# Altium PCB PCB1.PcbDoc (part 1 of 2) (continued)
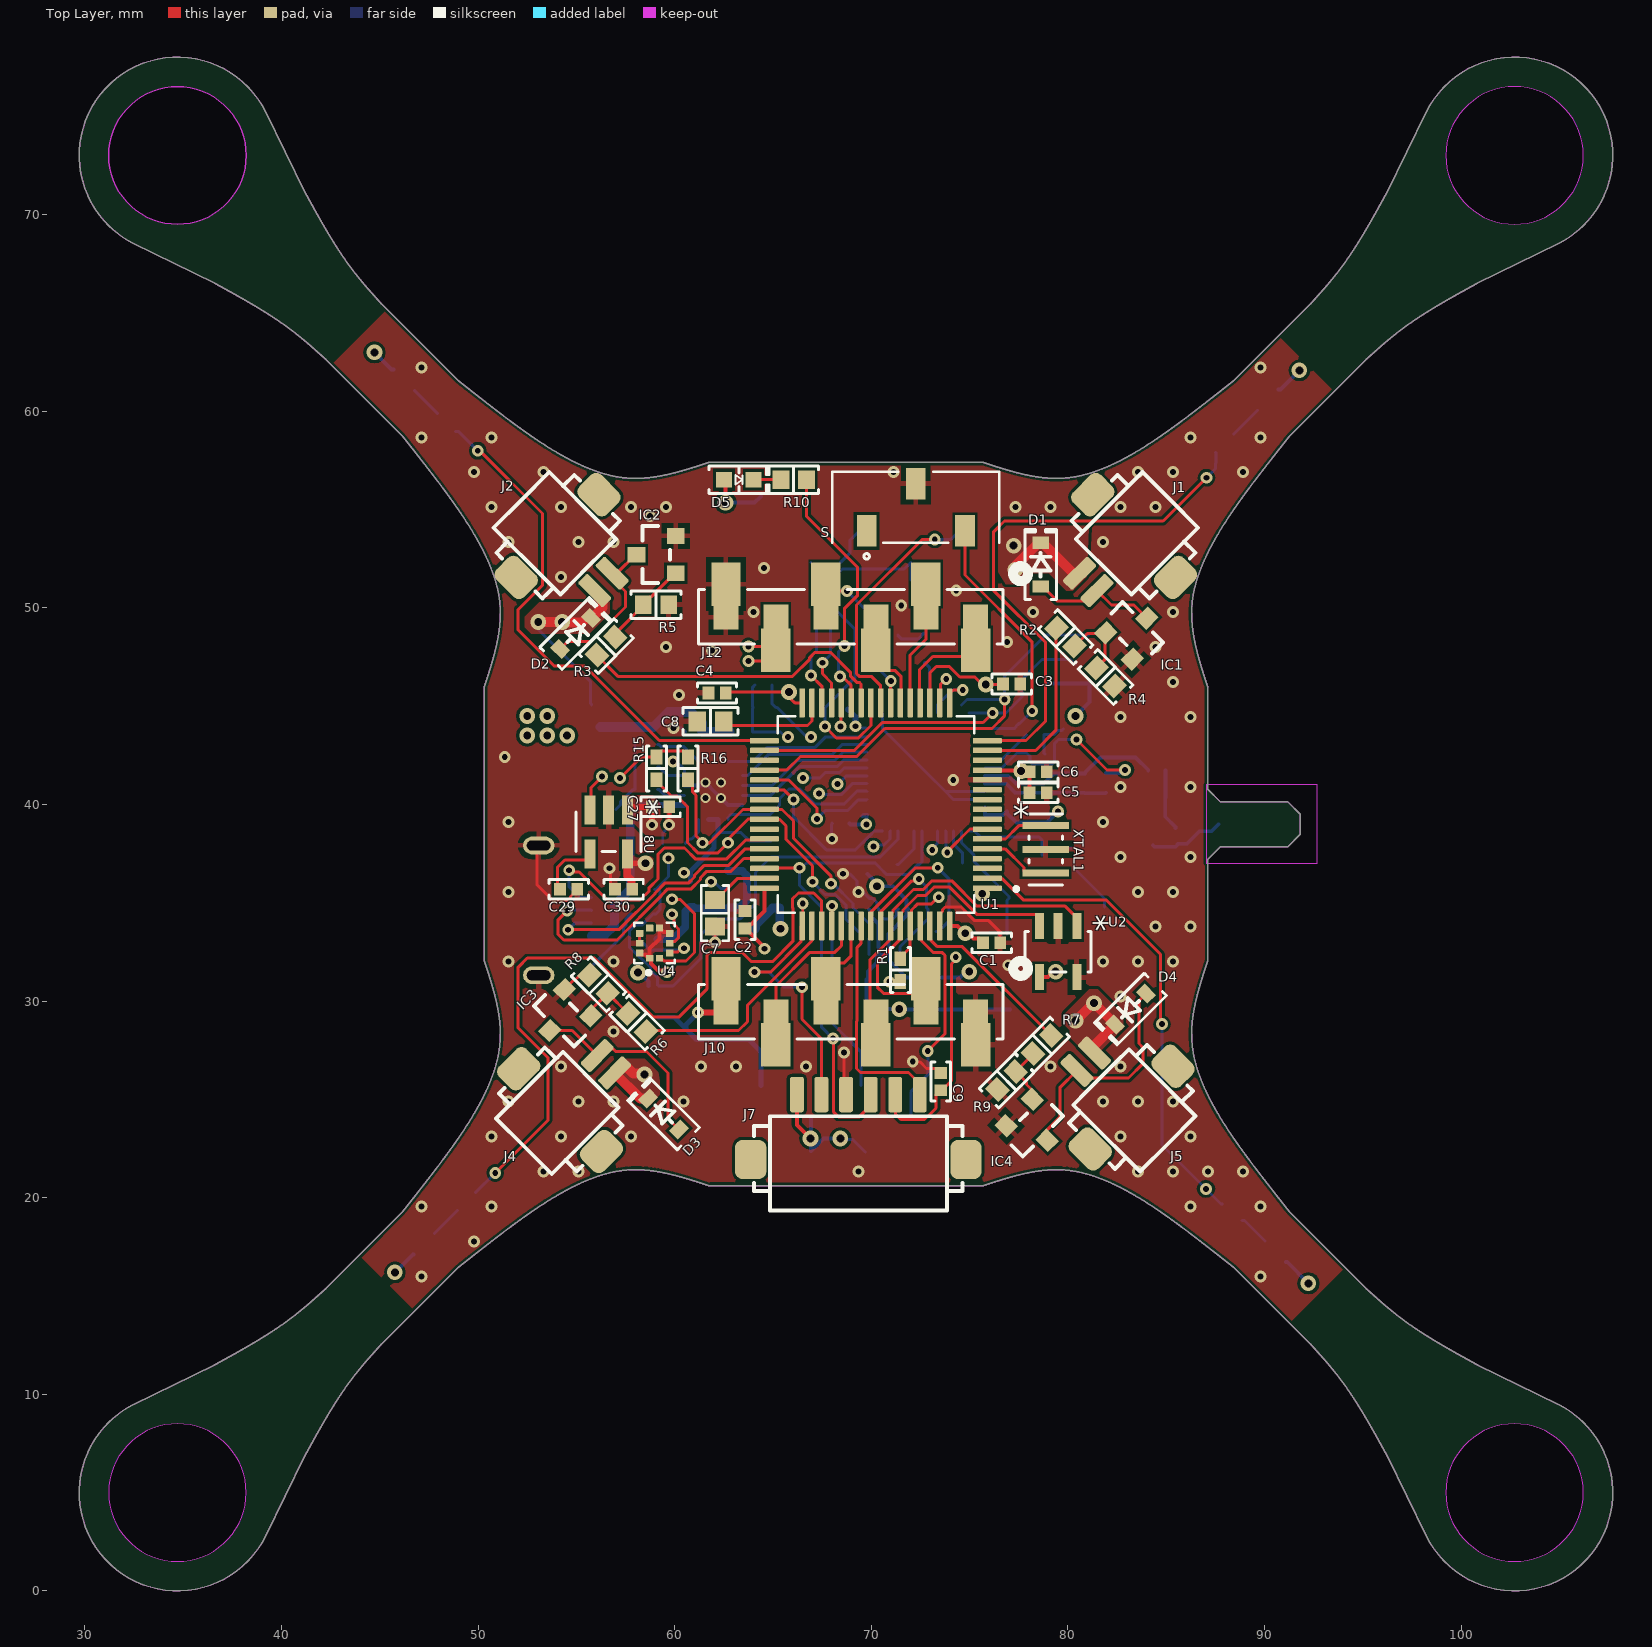
[diagram p0: Top Layer view]
## Components (designator, comment, footprint, x,y, rotation, side; value= is the part's Value field where it differs from the comment)
ANT1 "AMCA31-2R450G-S1F-T3" ANTC3216X140N 89.154,38.989 r0 bottom locked
C1 "100nF" "CAP 0402_1005" 76.124,32.969 r180 top
C2 "100nF" "CAP 0402_1005" 63.576,34.138 r270 top
C3 "100nF" "CAP 0402_1005" 77.14,46.126 r180 top
C4 "100nF" "CAP 0402_1005" 62.154,45.669 r0 top
C5 "10nF" "CAP 0402_1005" 78.486,40.589 r180 top
C6 "1uF" "CAP 0402_1005" 78.486,41.656 r180 top
C7 "2.2uF" "CAP 0603_1608" 62.052,34.468 r270 top
C8 "2.2uF" "CAP 0603_1608" 61.824,44.221 r0 top
C9 "100nF" "CAP 0402_1005" 73.533,25.908 r90 top
C10 "100nF" "CAP 0402_1005" 69.367,36.474 r0 bottom
C11 "12pF" "CAP 0402_1005" 77.343,33.401 r180 bottom
C12 "100nF" "CAP 0402_1005" 74.651,36.576 r90 bottom
C13 "47nF" "CAP 0402_1005" 78.334,43.561 r180 bottom
C14 "12pF" "CAP 0402_1005" 80.391,37.338 r90 bottom
C15 "100nF" "CAP 0402_1005" 64.516,46.076 r180 bottom
C16 "3.9pF" "CAP 0402_1005" 84.523,41.732 r0 bottom
C17 "1.0pF" "CAP 0402_1005" 84.514,40.335 r0 bottom
C18 "1.5pF" "CAP 0402_1005" 84.328,38.362 r270 bottom
C19 "100nF" "CAP 0402_1005" 68.453,39.065 r0 bottom
C20 "100nF" "CAP 0402_1005" 77.343,39.649 r180 bottom
C21 "100nF" "CAP 0402_1005" 69.19,45.085 r180 bottom
C22 "2.2nF" "CAP 0402_1005" 78.359,42.596 r180 bottom
C23 "1uF" "CAP 0402_1005" 63.61,33.63 r0 bottom
C24 "4.7uF" "CAP 0402_1005" 58.674,33.147 r0 bottom
C25 "22uF" "CAP 0402_1005" 61,43.688 r0 bottom
C26 "4.7uF" "CAP 0402_1005" 57.455,39.751 r0 bottom
C27 "1uF" "CAP 0402_1005" 59.284,39.878 r180 top
C28 "1uF" "CAP 0402_1005" 69.317,31.09 r0 bottom
C29 "10nF" "CAP 0402_1005" 54.61,35.687 r180 top
C30 "4.7uF" "CAP 0402_1005" 57.404,35.687 r0 top
D1 "BAT54HT1G" SOD323 78.613,52.197 r90 top
D2 "BAT54HT1G" SOD323 54.966,48.692 r45 top
D3 "BAT54HT1G" SOD323 59.436,24.257 r135 top
D4 "BAT54HT1G" SOD323 83.185,29.591 r225 top
D5 "Blue" "LED 0603_1608 BLUE" 63.264,56.515 r0 top
D6 "Red" "LED 0603_1608 RED" 90.17,60.579 r225 bottom
D7 "Green" "LED 0603_1608 GREEN" 46.228,61.595 r315 bottom
D8 "Red" "LED 0603_1608 RED" 90.551,17.272 r135 bottom
D9 "Green" "LED 0603_1608 GREEN" 47.244,17.653 r45 bottom
D10 "Blue" "LED 0603_1608 BLUE" 72.695,47.981 r90 bottom
IC1 "2N7002" "ON SEMI SOT-23-3" 83.312,48.768 r45 top
IC2 "2N7002" "ON SEMI SOT-23-3" 59.055,52.705 r180 top
IC3 "2N7002" "ON SEMI SOT-23-3" 54.356,29.21 r225 top
IC4 "2N7002" "ON SEMI SOT-23-3" 78.232,23.622 r315 top
J1 "DF13A-2P-1.25H(75)" "HIROSE DF13A-2P-1.25H" 83.439,53.721 r315 top locked
J2 "DF13A-2P-1.25H(75)" "HIROSE DF13A-2P-1.25H" 53.975,53.721 r45 top locked
J3 "10118193-0001LF" "FCI USB 10118193-0001LF" 53.136,34.614 r270 bottom locked
J4 "DF13A-2P-1.25H(75)" "HIROSE DF13A-2P-1.25H" 54.102,24.384 r135 top locked
J5 "DF13A-2P-1.25H(75)" "HIROSE DF13A-2P-1.25H" 83.312,24.511 r225 top locked
J6 "DF13A-2P-1.25H(75)" "HIROSE DF13A-2P-1.25H" 52.832,43.307 r270 bottom locked
J7 "DF13A-6P-1.25H(75)" "HIROSE DF13A-6P-1.25H" 69.342,21.844 r180 top locked
J8 "DF13A-4P-1.25H(75)" "HIROSE DF13A-4P-1.25H" 84.455,48.006 r90 bottom
J9 "1241152-6" CONN_1241152-6_T 68.199,53.975 r180 bottom
J10 "1241152-6" CONN_1241152-6_T 68.961,29.464 r180 top locked
J11 "1241152-6" CONN_1241152-6_T 68.199,24.028 r180 bottom
J12 "1241152-6" CONN_1241152-6_T 68.961,49.543 r180 top locked
L1 "Inductor" 0402-A 85.471,38.303 r270 bottom value=3.3nH
L2 "Inductor" 0402-A 80.874,41.072 r90 bottom value=4.7nH
L3 "Inductor" 0402-A 81.931,41.097 r270 bottom value=27nH
L4 "Inductor" 0402-A 73.025,31.191 r180 bottom value=1uH
R1 "10K" "RES 0402_1005" 71.476,31.572 r90 top
R2 "47R" "RES 0603_1608" 79.883,48.514 r315 top
R3 "47R" "RES 0603_1608" 56.515,48.057 r45 top
R4 "10K" "RES 0603_1608" 81.915,46.482 r135 top
R5 "10K" "RES 0603_1608" 59.055,50.165 r180 top
R6 "47R" "RES 0603_1608" 58.087,28.908 r135 top
R7 "47R" "RES 0603_1608" 78.689,27.788 r225 top
R8 "10K" "RES 0603_1608" 56.134,30.861 r315 top
R9 "10K" "RES 0603_1608" 76.883,25.956 r45 top
R10 "47R" "RES 0603_1608" 66.055,56.515 r180 top
R11 "100R" "RES 0603_1608" 87.963,58.372 r45 bottom
R12 "47R" "RES 0603_1608" 48.387,59.436 r135 bottom
R13 "100R" "RES 0603_1608" 88.392,19.304 r315 bottom
R14 "47R" "RES 0603_1608" 49.403,19.812 r225 bottom
R15 "4.7K" "RES 0402_1005" 59.08,41.834 r270 top
R16 "4.7K" "RES 0402_1005" 60.681,41.834 r270 top
R17 "200K" "RES 0402_1005" 63.373,43.688 r0 bottom
R18 "100K" "RES 0402_1005" 64.567,44.933 r0 bottom
R19 "1K" "RES 0402_1005" 71.882,36.957 r0 bottom
R20 "47R" "RES 0402_1005" 71.349,48.031 r270 bottom
R21 "0R" "RES 0603_1608" 60.808,35.443 r90 bottom
R22 "10K" "RES 0402_1005" 58.395,35.687 r180 bottom
R23 "10K" "RES 0402_1005" 58.395,34.417 r0 bottom
R24 "1K" "RES 0402_1005" 59.969,38.024 r0 bottom
R25 "10K" "RES 0402_1005" 58.547,40.771 r0 bottom
R26 "10K" "RES 0402_1005" 58.547,43.053 r0 bottom
R27 "1K" "RES 0402_1005" 58.547,41.912 r0 bottom
S "JS102011JCQN_1" SW_JS102011JCQN 72.263,55.118 r0 top
U1 "STM32F405RGT6" QFP50P1200X1200X160-64N 70.231,39.497 r180 top locked
U2 "24AA64FT-I/OT" SOT-23-5_MC_MCH 79.502,32.512 r270 top
U3 "BMI088" PQFN50P450X300X100-16N 71.374,33.528 r180 bottom
U4 "BMP388" PQFN50P200X200X80-10N 58.979,32.944 r90 top
U5 "NRF51822-QFAC-T" *QFN40P600X600X90-49N 72.771,41.656 r0 bottom
U6 "NCP702SN30T1G" TSOP-5_ONS 64.008,35.687 r0 bottom
U7 "BQ24075RGTR" RGT16_1P7X1P7 61.964,40.718 r270 bottom
U8 "LP2985-30DBVR" DBV5_TEX 56.642,38.608 r270 top
U9 "SIP32431DNP3-T1GE4" SON50P120X160X60-5N 58.928,29.972 r90 bottom
XTAL1 "CSTNE8M00GH5L000R0" CSTNE8M00GH5L000 78.867,37.719 r0 top
Y1 "16MHz" "ABRACON ABM8G" 77.851,36.322 r90 bottom

## Footprints (in the part's own frame and the unit in brackets; to place one, negate y for a bottom-side part, rotate by r counter-clockwise, add the part's x,y. Pads: shape width x height; smd on the part's side, far side on the other; paste and mask are expansions set on the pad)
0402-A [mm] "Chip Inductor, Body 1.0x0.5mm, IPC High Density"
  rect 0.6x0.5 smd: 1(-0.5,0) 2(0.5,0)
  silkscreen extent -1.1,-0.15 -1.1,0.15, body extent -0.55,-0.3 0.55,0.3, height 0.55
*QFN40P600X600X90-49N [mm]
  oval 0.8x0.3 smd: 1(-3,2.2) 2(-3,1.8) 3(-3,1.4) 4(-3,1) 5(-3,0.6) 6(-3,0.2) 7(-3,-0.2) 8(-3,-0.6) 9(-3,-1) 10(-3,-1.4) 11(-3,-1.8) 12(-3,-2.2) 25(3,-2.2) 26(3,-1.8) 27(3,-1.4) 28(3,-1) 29(3,-0.6) 30(3,-0.2) 31(3,0.2) 32(3,0.6) 33(3,1) 34(3,1.4) 35(3,1.8) 36(3,2.2)
  oval 0.3x0.8 smd: 13(-2.2,-3) 14(-1.8,-3) 15(-1.4,-3) 16(-1,-3) 17(-0.6,-3) 18(-0.2,-3) 19(0.2,-3) 20(0.6,-3) 21(1,-3) 22(1.4,-3) 23(1.8,-3) 24(2.2,-3) 37(2.2,3) 38(1.8,3) 39(1.4,3) 40(1,3) 41(0.6,3) 42(0.2,3) 43(-0.2,3) 44(-0.6,3) 45(-1,3) 46(-1.4,3) 47(-1.8,3) 48(-2.2,3)
  rect 4.6x4.6 smd: 49(0,0)
  silkscreen extent -3.43,-3 3,3, body extent -3,-3 3,3, height 0.9
"ABRACON ABM8G" [mm] "Crystal, 4-Leads, Body 2.50x3.20mm, Pitch 2.20mm, IPC Medium Density"
  rect 1.4x1.2 smd: 1(-1.1,-0.85) 2(1.1,-0.85) 3(1.1,0.85) 4(-1.1,0.85)
  silkscreen extent -2.25,-1.85 2.1,1.7, body extent -1.61,-1.26 1.61,1.26, height 0.6
ANTC3216X140N [mm]
  rect 1.15x1.8 smd: 1(-1.5,0) 2(1.5,0)
  silkscreen extent -2.42,-1.25 1.5,1.25, body extent -1.6,-0.8 1.6,0.8, height 1.4
"CAP 0402_1005" [mm] "Chip Capacitor, 2-Leads, Body 1.02x0.51mm, IPC Medium Density"
  rect 0.6x0.64 smd: 1(-0.44,0) 2(0.44,0)
  silkscreen extent -1,-0.5 1,0.5, body extent -0.5,-0.26 0.5,0.26, height 0.52
"CAP 0603_1608" [mm] "Chip Capacitor, 2-Leads, Body 1.60x0.80mm, IPC Medium Density"
  rect 0.9x1 smd: 1(-0.675,0) 2(0.675,0)
  silkscreen extent -1.4,-0.7 1.4,0.7, body extent -0.8,-0.41 0.8,0.41, height 0.82
CONN_1241152-6_T [mil]
  rect 50x50 smd mask+0: 1(-250,0.5) 2(-150,0.5) 3(-50,0.5) 4(50,0.5) 5(150,0.5) 6(250,0.5)
  rect 59x87 smd paste+0 mask+0: 1(-250,66.5) 2(-150,-65.5) 3(-50,66.5) 4(50,-65.5) 5(150,66.5) 6(250,-65.5)
  silkscreen extent -355,-101 305,55, body extent -305,-101 305,101, height 245
CSTNE8M00GH5L000 [mil]
  rect 93x14 smd paste+0 mask+0: 1(0,47.24) 2(0,0) 3(0,-47.24)
  silkscreen extent -34,-71 34,71, body extent -26,-63 26,63, height 31
DBV5_TEX [mil]
  rect 58x22 smd: 1(-44,37.4) 2(-44,0) 3(-44,-37.4) 4(44,-37.4) 5(44,37.4)
  silkscreen extent -40,-65 40,65, body extent -59,-60 59,60, height 57
"FCI USB 10118193-0001LF" [mm] "USB 2.0 Type B Micro"
  oval 0.4x1.35 smd: 1(1.3,-2.625) 2(0.65,-2.625) 3(0,-2.625) 4(-0.65,-2.625) 5(-1.3,-2.625)
  oval 0.9x1.6 hole 0.5 slot 1.2 at 90 deg: S(-3.3,0.05) S(3.3,0.05)
  rrect50% 1.6x1.4 smd: S(-3.2,-2.4) S(3.2,-2.4)
  rect 1.9x1.8 smd: S(-1.2,0.05) S(1.2,0.05)
  silkscreen extent -3.7,-2.8 3.7,2.8, body extent -3.93,-2.9 3.93,2.76, height 2.78
"HIROSE DF13A-2P-1.25H" [mm] "DF13 Series 1.25mm pitch miniature crimping connector single row"
  rrect30% 0.7x1.8 smd: 1(-0.625,-3.4) 2(0.625,-3.4)
  rrect50% 1.6x2 smd: M(-2.975,-0.1) M(2.975,-0.1)
  silkscreen extent -2.8,-2.3 2.8,2.5, body extent -3.58,-3.9 3.58,2.6, height 3.59
"HIROSE DF13A-4P-1.25H" [mm] "DF13 Series 1.25mm pitch miniature crimping connector single row"
  rrect30% 0.7x1.8 smd: 1(-1.875,-3.4) 2(-0.625,-3.4) 3(0.625,-3.4) 4(1.875,-3.4)
  rrect50% 1.6x2 smd: M(-4.225,-0.1) M(4.225,-0.1)
  silkscreen extent -4.05,-2.3 4.05,2.5, body extent -4.83,-3.9 4.82,2.6, height 3.59
"HIROSE DF13A-6P-1.25H" [mm] "DF13 Series 1.25mm pitch miniature crimping connector single row"
  rrect30% 0.7x1.8 smd: 1(-3.125,-3.4) 2(-1.875,-3.4) 3(-0.625,-3.4) 4(0.625,-3.4) 5(1.875,-3.4) 6(3.125,-3.4)
  rrect50% 1.6x2 smd: M(-5.475,-0.1) M(5.475,-0.1)
  silkscreen extent -5.3,-2.3 5.3,2.5, body extent -6.08,-3.9 6.08,2.6, height 3.59
"LED 0603_1608 BLUE" [mm] "Chip Diode, 2-Leads, Body 1.60x0.80mm, IPC Medium Density"
  rect 0.8x0.8 smd: 1(-0.75,0) 2(0.75,0)
  silkscreen extent -1.52,-0.7 1.52,0.7, body extent -0.8,-0.4 0.8,0.4, height 0.53
"LED 0603_1608 GREEN" [mm] "Chip Diode, 2-Leads, Body 1.60x0.80mm, IPC Medium Density"
  rect 0.8x0.8 smd: 1(-0.75,0) 2(0.75,0)
  silkscreen extent -1.52,-0.7 1.52,0.7, body extent -0.8,-0.4 0.8,0.4, height 0.53
"LED 0603_1608 RED" [mm] "Chip Diode, 2-Leads, Body 1.60x0.80mm, IPC Medium Density"
  rect 0.8x0.8 smd: 1(-0.75,0) 2(0.75,0)
  silkscreen extent -1.52,-0.7 1.52,0.7, body extent -0.8,-0.4 0.8,0.4, height 0.53
"ON SEMI SOT-23-3" [mm] "SOT23, 3-Leads, Body 2.90x2.40mm, Pitch 0.95mm, IPC Medium Density"
  rect 0.9x0.8 smd: 1(-1,0.95) 2(-1,-0.95) 3(1,0)
  silkscreen extent -0.7,-1.45 0.7,1.45, body extent -1.16,-1.45 1.16,1.45, height 1
PQFN50P200X200X80-10N [mm]
  rrect9% 0.35x0.38 smd: 1(-0.765,0.25) 2(-0.765,-0.25) 3(-0.5,-0.765) 4(0,-0.765) 5(0.5,-0.765) 6(0.765,-0.25) 7(0.765,0.25) 8(0.5,0.765) 9(0,0.765) 10(-0.5,0.765)
  silkscreen extent -1.6,-1.03 1.03,1.03, body extent -1,-0.99 1,1.01, height 0.8
PQFN50P450X300X100-16N [mm]
  rrect50% 0.35x0.58 smd: 1(-1.5,1.16) 2(-1,1.16) 3(-0.5,1.16) 4(0,1.16) 5(0.5,1.16) 6(1,1.16) 7(1.5,1.16) 9(1.5,-1.16) 10(1,-1.16) 11(0.5,-1.16) 12(0,-1.16) 13(-0.5,-1.16) 14(-1,-1.16) 15(-1.5,-1.16)
  rrect50% 0.58x0.35 smd: 8(1.91,0) 16(-1.91,0)
  silkscreen extent -2.28,-1.53 2.28,2.2, body extent -2.25,-1.5 2.25,1.5, height 1
QFP50P1200X1200X160-64N [mm]
  rrect25% 1.47x0.28 smd: 1(-5.67,3.75) 2(-5.67,3.25) 3(-5.67,2.75) 4(-5.67,2.25) 5(-5.67,1.75) 6(-5.67,1.25) 7(-5.67,0.75) 8(-5.67,0.25) 9(-5.67,-0.25) 10(-5.67,-0.75) 11(-5.67,-1.25) 12(-5.67,-1.75) 13(-5.67,-2.25) 14(-5.67,-2.75) 15(-5.67,-3.25) 16(-5.67,-3.75) 33(5.67,-3.75) 34(5.67,-3.25) 35(5.67,-2.75) 36(5.67,-2.25) 37(5.67,-1.75) 38(5.67,-1.25) 39(5.67,-0.75) 40(5.67,-0.25) 41(5.67,0.25) 42(5.67,0.75) 43(5.67,1.25) 44(5.67,1.75) 45(5.67,2.25) 46(5.67,2.75) 47(5.67,3.25) 48(5.67,3.75)
  rrect25% 0.28x1.47 smd: 17(-3.75,-5.67) 18(-3.25,-5.67) 19(-2.75,-5.67) 20(-2.25,-5.67) 21(-1.75,-5.67) 22(-1.25,-5.67) 23(-0.75,-5.67) 24(-0.25,-5.67) 25(0.25,-5.67) 26(0.75,-5.67) 27(1.25,-5.67) 28(1.75,-5.67) 29(2.25,-5.67) 30(2.75,-5.67) 31(3.25,-5.67) 32(3.75,-5.67) 49(3.75,5.67) 50(3.25,5.67) 51(2.75,5.67) 52(2.25,5.67) 53(1.75,5.67) 54(1.25,5.67) 55(0.75,5.67) 56(0.25,5.67) 57(-0.25,5.67) 58(-0.75,5.67) 59(-1.25,5.67) 60(-1.75,5.67) 61(-2.25,5.67) 62(-2.75,5.67) 63(-3.25,5.67) 64(-3.75,5.67)
  silkscreen extent -7.24,-5 5,5, body extent -6,-6 6,6, height 1.61
"RES 0402_1005" [mm] "Chip Resistor, 2-Leads, Body 1.0x0.5mm, IPC Medium Density"
  rect 0.75x0.6 smd: 1(-0.575,0) 2(0.575,0)
  silkscreen extent -1.14,-0.51 1.14,0.51, body extent -0.5,-0.25 0.5,0.25, height 0.35
"RES 0603_1608" [mm] "Chip Resistor, 2-Leads, Body 1.60x0.80mm, IPC Medium Density"
  rect 0.85x0.95 smd: 1(-0.65,0) 2(0.65,0)
  silkscreen extent -1.27,-0.7 1.27,0.7, body extent -0.8,-0.4 0.8,0.4, height 0.45
RGT16_1P7X1P7 [mm]
  rect 0.85x0.28 smd paste-0.14: 1(-1.475,0.75) 2(-1.475,0.25) 3(-1.475,-0.25) 4(-1.475,-0.75) 9(1.475,-0.75) 10(1.475,-0.25) 11(1.475,0.25) 12(1.475,0.75)
  rect 0.28x0.85 smd paste-0.14: 5(-0.75,-1.475) 6(-0.25,-1.475) 7(0.25,-1.475) 8(0.75,-1.475) 13(0.75,1.475) 14(0.25,1.475) 15(-0.25,1.475) 16(-0.75,1.475)
  rect 1.7x1.7 smd paste-0.837 mask-0.838: 17(0,0)
  round 0.508 hole 0.3: V(-0.394,-0.394) V(-0.394,0.394) V(0.394,-0.394) V(0.394,0.394)
  silkscreen extent -1.83,-1.83 2.41,1.83, body extent -1.5,-1.53 1.5,1.47, height 1
SOD323 [mm] "SOD, 2-Leads, Body 1.25x2.50mm, IPC Medium Density"
  rect 0.625x0.83 smd: 1(-1.113,0) 2(1.113,0)
  silkscreen extent -1.78,-0.8 1.78,0.8, body extent -1.36,-0.62 1.36,0.62, height 1.05
SON50P120X160X60-5N [mm]
  rrect25% 0.71x0.27 smd: 1(-0.795,0.25) 2(-0.795,-0.25) 3(0.795,-0.25) 4(0.795,0.25)
  rect 0.5x0.86 smd paste-1: 5(0,0)
  silkscreen extent -1.81,-0.74 0.8,0.74, body extent -0.81,-0.6 0.79,0.6, height 0.55
SOT-23-5_MC_MCH [mil]
  rect 52x18 smd paste+0 mask+0: 1(-51,37.4) 2(-51,0) 3(-51,-37.4) 4(51,-37.4) 5(51,37.4)
  silkscreen extent -41,-66 41,66, body extent -62,-61 64,61, height 57
SW_JS102011JCQN [mm]
  rect 1x1.6 smd: 1(-2.5,-1.2) 2(0,1.2) 3(2.5,-1.2)
  silkscreen extent -4.25,-2.64 4.25,1.8, body extent -4.22,-1.91 4.28,2.09, height 5.38
TSOP-5_ONS [mil]
  rect 43.5x18 smd paste+0 mask+0: 1(-51.25,37.4) 2(-51.25,0) 3(-51.25,-37.4) 4(51.25,-37.4) 5(51.25,37.4)
  silkscreen extent -34,-64 34,64, body extent -59,-60 59,58, height 43

## Part data
ANT1: "Antenna", Manufacturer_Name=ABRACON, Mouser Part Number=815-CA312R450GS1FT3, Arrow Part Number=AMCA31-2R450G-S1F-T3, Arrow Price/Stock=https://www.arrow.com/en/products/amca31-2r450g-s1f-t3/abracon, Datasheet Link=http://www.abracon.com/chip-antenna/AMCA31-2R450G-S1F-T.pdf, Height=1.4mm, Manufacturer_Part_Number=AMCA31-2R450G-S1F-T3, Mouser Price/Stock=https://www.mouser.co.uk/ProductDetail/ABRACON/AMCA31-2R450G-S1F-T3?qs=AAveGqk956GLuOddQEK40Q%3D%3D
C1 C2 C3 C4 C5 C6 C9 C10 C12 C13 C15 C16 C17 C18 C19 C20 C21 C22 C23 C24 C25 C26 C27 C28 C29 C30: library part C0402C104M4VACTU, "CAP CER 0.1UF 16V Y5V 0402", Capacitance=0.1µF, Device Package="0402 (1005 Metric)", Manufacturer=KEMET, Operating Temperature="-30°C ~ 85°C", Supplier Part Number 1=399-7332-1-ND, Temperature Coefficient="Y5V (F)", Tolerance=±20%, Voltage - Rated=16V, Applications="General Purpose", ComponentLink1Description=Datasheet, ComponentLink1URL=//media.digikey.com/PDF/Data%20Sheets/Kemet%20PDFs/COG%20Dielectric.pdf, ComponentLink2Description="DigiKey Link", ComponentLink2URL=http://digikey.com/product-detail/en/kemet/C0402C104M4VACTU/399-7332-1-ND/3316949, LastUpdated="4/1/2020 11:57:05 PM", Lifecycle Status=Active, Minimum Order=1, Mounting Type="Surface Mount, MLCC", Package / Case="0402 (1005 Metric)", Packaging=TapeAndReel, PartId=1738, Part Number=C0402C104M4VACTU, Part Status=Active, Price=0.08, Series="SMD Comm Y5V", Size / Dimension="0.039\" L x 0.020\" W (1.00mm x 0.50mm)", Supplier 1=DigiKey, Thickness (Max)="0.022\" (0.55mm)"
C7 C8: library part C0603X101F5GAC7867, "CAP CER 100PF 50V C0G/NP0 0603", Capacitance=100pF, Device Package="0603 (1608 Metric)", Manufacturer=KEMET, Operating Temperature="-55°C ~ 125°C", Supplier Part Number 1=399-20433-1-ND, Temperature Coefficient="C0G, NP0", Tolerance=±1%, Voltage - Rated=50V, Applications="Boardflex Sensitive", ComponentLink1Description=Datasheet, ComponentLink1URL=https://api.kemet.com/component-edge/download/datasheet/C0603X101F5GAC7867.pdf, ComponentLink2Description="DigiKey Link", ComponentLink2URL=http://digikey.com/product-detail/en/kemet/C0603X101F5GAC7867/399-20433-1-ND/9925037, Features="Low ESL, Soft Termination", LastUpdated="1/21/2020 12:02:09 AM", Lifecycle Status=Active, Minimum Order=1, Mounting Type="Surface Mount, MLCC", Package / Case="0603 (1608 Metric)", Packaging=TapeAndReel, PartId=2140, Part Number=C0603X101F5GAC7867, Part Status=Active, Price=0.46, Series="SMD Comm C0G Flex", Size / Dimension="0.063\" L x 0.031\" W (1.60mm x 0.80mm)", Supplier 1=DigiKey, Thickness (Max)="0.037\" (0.95mm)"
C11 C14: library part 04025A120GAT2A, "CAP CER 12PF 50V C0G/NP0 0402", Device Package="0402 (1005 Metric)", Manufacturer="AVX Corporation", Operating Temperature="-55°C ~ 125°C", Supplier Part Number 1=478-7871-1-ND, Temperature Coefficient="C0G, NP0", Tolerance=±2%, Voltage - Rated=50V, Applications="General Purpose", Capacitance=12pF, ComponentLink1Description=Datasheet, ComponentLink1URL=http://datasheets.avx.com/C0GNP0-Dielectric.pdf, ComponentLink2Description="DigiKey Link", ComponentLink2URL=http://digikey.com/product-detail/en/avx-corporation/04025A120GAT2A/478-7871-1-ND/3881494, LastUpdated="4/1/2020 11:57:05 PM", Lifecycle Status=Active, Minimum Order=1, Mounting Type="Surface Mount, MLCC", Package / Case="0402 (1005 Metric)", Packaging=TapeAndReel, PartId=1768, Part Number=04025A120GAT2A, Part Status=Active, Price=0.12, Series=-, Size / Dimension="0.039\" L x 0.020\" W (1.00mm x 0.50mm)", Supplier 1=DigiKey, Thickness (Max)="0.022\" (0.55mm)"
D1 D2 D3 D4: "DIODE SCHOTTKY 30V 200MA SOD323", Capacitance @ Vr, F="10pF @ 1V, 1MHz", Current - Average Rectified (Io)="200mA (DC)", Current - Reverse Leakage @ Vr="2µA @ 25V", Device Package="SC-76, SOD-323", Manufacturer="ON Semiconductor", Operating Temperature - Junction="-55°C ~ 150°C", Supplier Device Package=SOD-323, Supplier Part Number 1=BAT54HT1GOSCT-ND, Voltage - DC Reverse (Vr) (Max)=30V, Voltage - Forward (Vf) (Max) @ If="800mV @ 100mA", ComponentLink1Description=Datasheet, ComponentLink1URL=//media.digikey.com/pdf/Data%20Sheets/Fairchild%20PDFs/BAT54HT1G_Rev_1.2.pdf, ComponentLink2Description="DigiKey Link", ComponentLink2URL=http://digikey.com/product-detail/en/on-semiconductor/BAT54HT1G/BAT54HT1GOSCT-ND/917809, Diode Type=Schottky, LastUpdated="2/4/2020 3:13:59 PM", Lifecycle Status=Active, Minimum Order=1, Mounting Type="Surface Mount", Package / Case="SC-76, SOD-323", Packaging=TapeAndReel, PartId=3080, Part Number=BAT54HT1G, Part Status=Active, Price=0.04, Reverse Recovery Time (trr)=5ns, Series=-, Speed="Small Signal =< 200mA (Io), Any Speed", Supplier 1=DigiKey
D5 D10: library part XZFBB53W-1, "LED BLUE CLEAR 2SMD", Current - Test=20mA, Device Package="0603 (1608 Metric)", Lens Color=Colorless, Manufacturer=SunLED, Millicandela Rating=178mcd, Supplier Device Package=2-SMD, Supplier Part Number 1=1497-1310-1-ND, Voltage - Forward (Vf) (Typ)=3.3V, Color=Blue, ComponentLink1Description=Datasheet, ComponentLink1URL=https://www.sunledusa.com/products/spec/XZFBB53W-1.pdf, ComponentLink2Description="DigiKey Link", ComponentLink2URL=http://digikey.com/product-detail/en/sunled/XZFBB53W-1/1497-1310-1-ND/6615742, Configuration=Standard, Height (Max)=0.85mm, LastUpdated="1/21/2020 3:11:01 AM", Lens Size="1.20mm x 0.80mm", Lens Style="Rectangle with Flat Top", Lens Transparency=Clear, Lifecycle Status=Active, Minimum Order=1, Mounting Type="Surface Mount", Package / Case="0603 (1608 Metric)", Packaging=TapeAndReel, PartId=782, Part Number=XZFBB53W-1, Part Status=Active, Price=0.15, Series=-, Size / Dimension="1.60mm L x 0.80mm W", Supplier 1=DigiKey, Viewing Angle=130°, Wavelength - Dominant=470nm, Wavelength - Peak=465nm
D6 D8: library part 5973005507F, "LED RED 0603 SMD", Current - Test=20mA, Device Package="0603 (1608 Metric)", Lens Color=0.68mm, Manufacturer=Dialight, Millicandela Rating=90mcd, Supplier Device Package=0603, Supplier Part Number 1=350-4374-1-ND, Voltage - Forward (Vf) (Typ)=2V, Color=Red, ComponentLink1Description=Datasheet, ComponentLink1URL=http://www.dialightsignalsandcomponents.com/Assets/Drawings/2D_Drawings_DrawingDetailedSpec/NewDrawings/18369A.pdf, ComponentLink2Description="DigiKey Link", ComponentLink2URL=http://digikey.com/product-detail/en/dialight/5973005507F/350-4374-1-ND/9385480, Configuration=Standard, Height (Max)=0.68mm, LastUpdated="1/21/2020 3:13:27 AM", Lens Size="1.20mm x 0.80mm", Lens Style="Rectangle with Flat Top", Lifecycle Status=Active, Minimum Order=1, Mounting Type="Surface Mount", Package / Case="0603 (1608 Metric)", Packaging=TapeAndReel, PartId=378, Part Number=5973005507F, Part Status=Active, Price=0.11, Series=597, Size / Dimension="1.60mm L x 0.80mm W", Supplier 1=DigiKey, Wavelength - Dominant=630nm